# KiCad board Marble.kicad_pcb (continued)
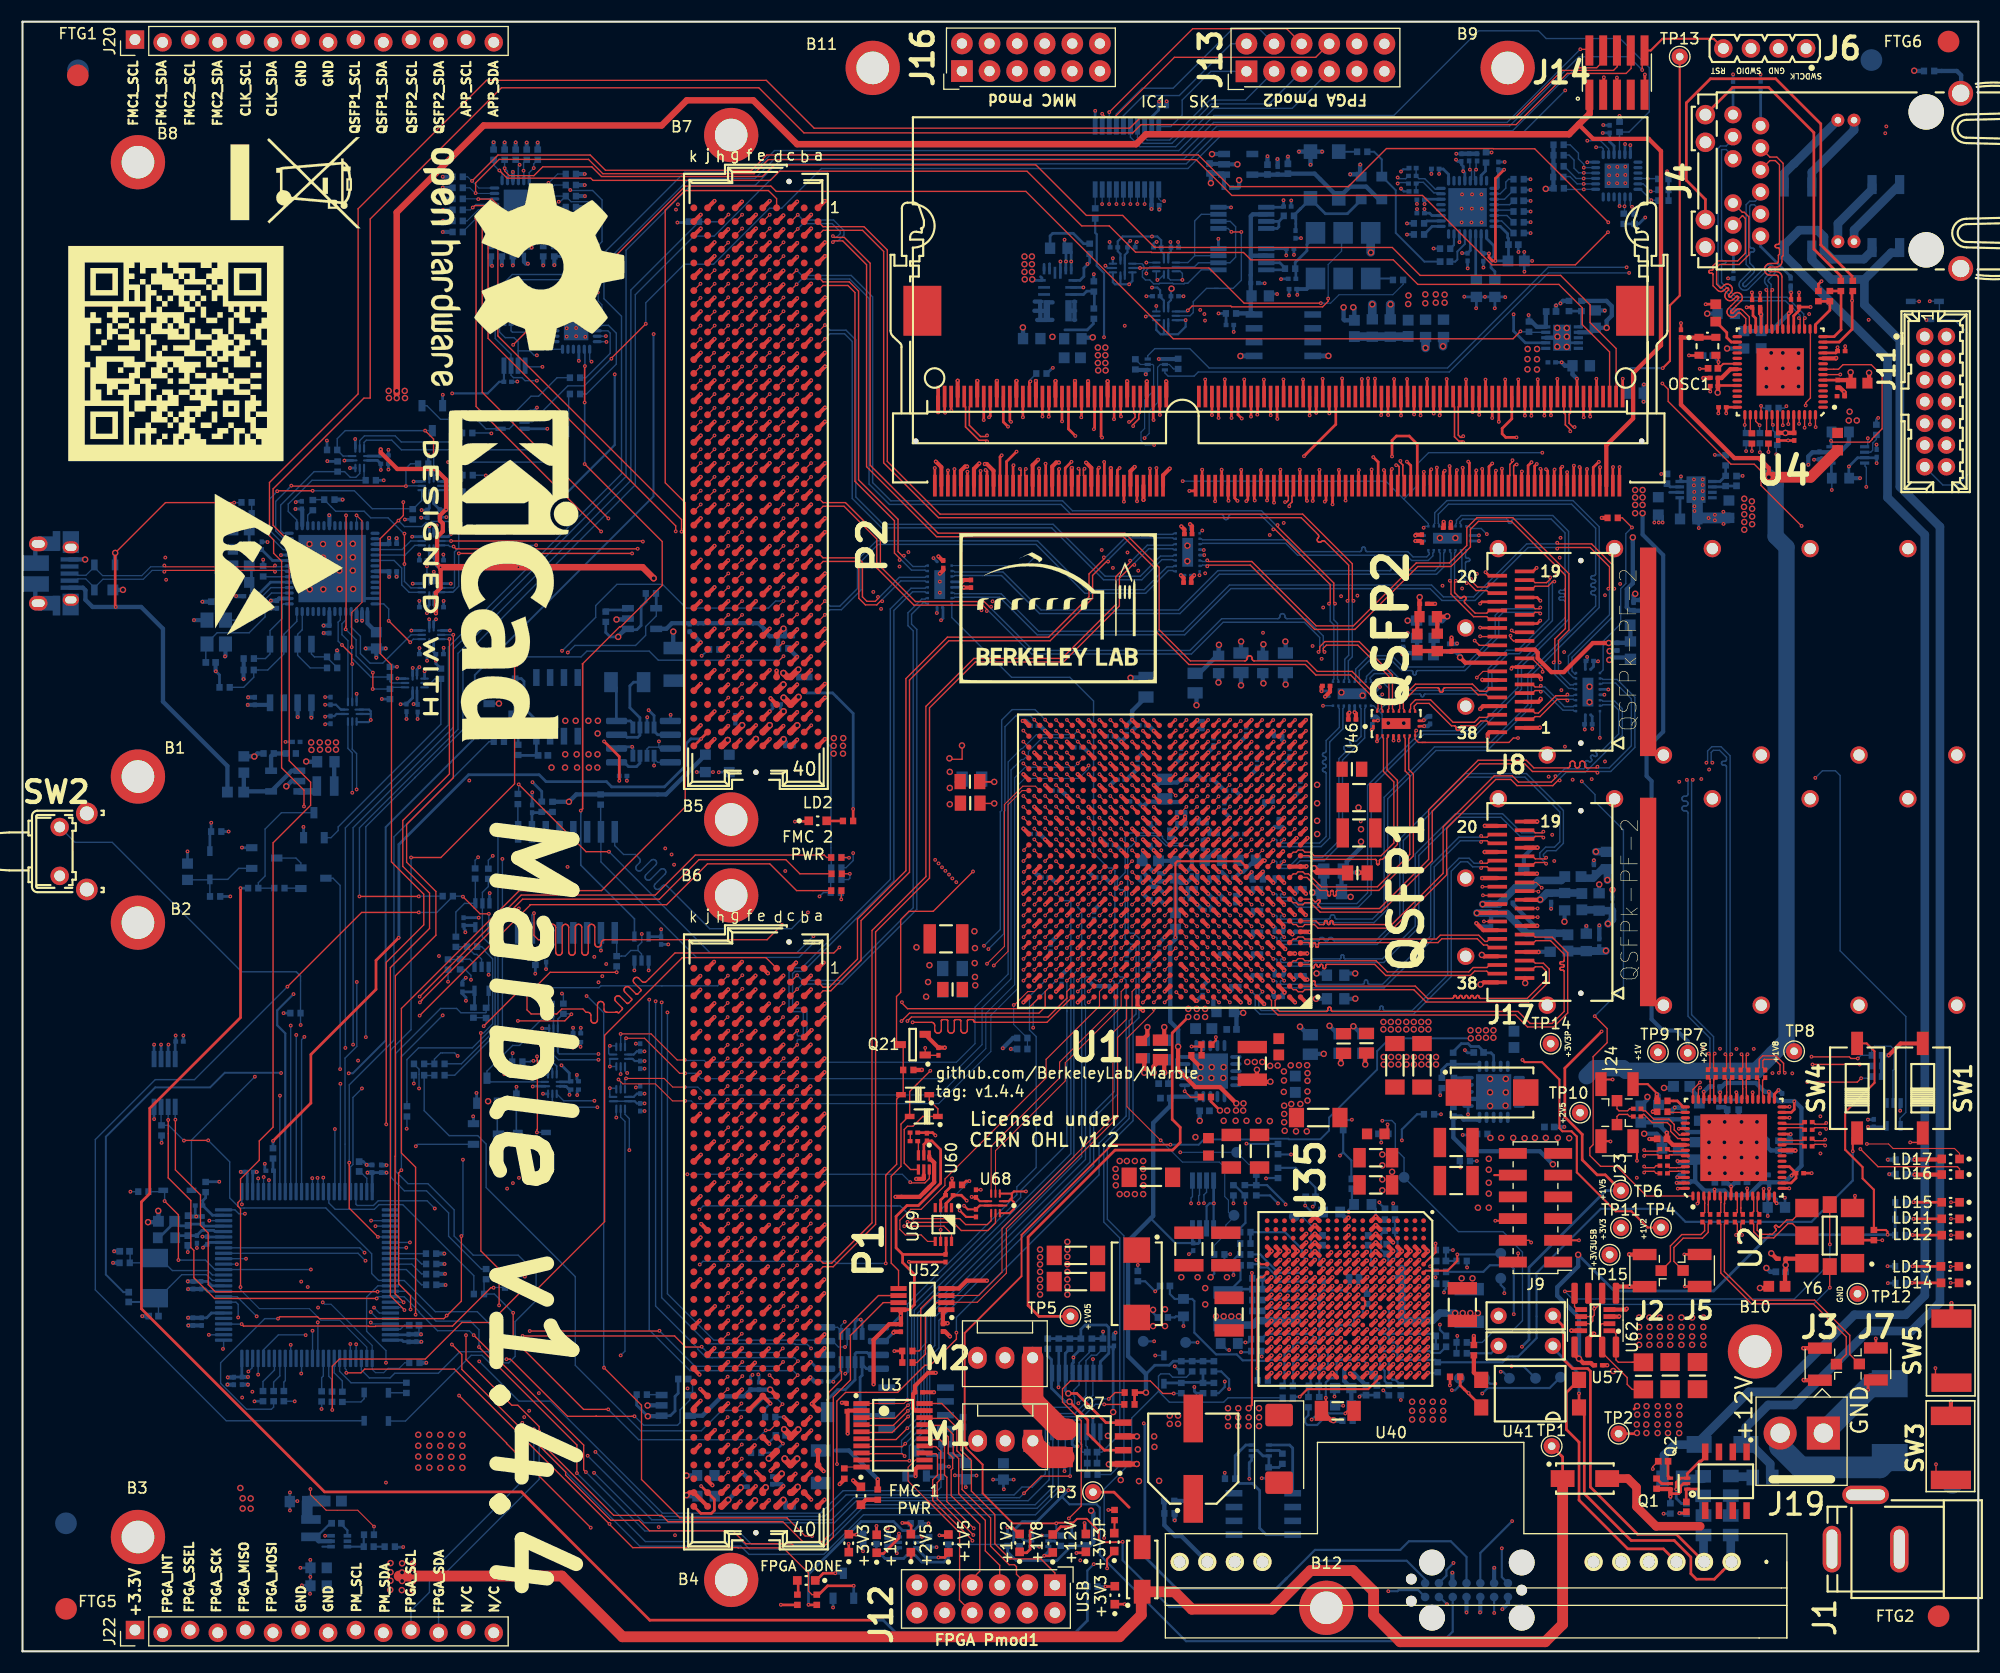
[diagram p0: board, top side]
## Routing (per net, layer and track width the routed paths; a pad name or vN(x,y) marks a point on that pad's centre or on a via; arc(x,y) is an arc through that point) (continued)
/JTAG/JTAG_TDO: length 253
  In2.Cu w0.127: v1(46.81,53.43) 46.3,53.94 46.3,59.76 45.16,60.9 45.16,83.23 45.82,83.89 45.82,95.77 46.02,95.98 46.02,102.1 46.63,102.71 46.63,123.79 v1(47.6,124.76)
  In7.Cu w0.127: J11.8 178.5,116.45 178.5,122.98 176.67,124.81 174.38,124.81 171.65,127.54 171.65,132.98 160.6,144.03 151.03,144.03 149.32,142.33 144.75,142.31 143.91,141.47 128.67,141.47 127.81,142.33 104.83,142.33 104.76,142.26 104.43,142.26 104.36,142.33 82.55,142.33 78.38,138.16 70.25,138.16 67.23,135.14 57.96,135.14 43.15,120.34 v1(43.15,112.11)
  Bottom w0.127: v1(43.15,112.11) 43.11,112.14 R233.2 ; 46.76,53.43 v1(46.81,53.43)
  Bottom w0.15: R216.2 46.45,53.13 47.11,53.79 48.59,53.79 48.77,53.61 U9.4
/JTAG/JTAG_TMS: length 232.9
  In2.Cu w0.127: v1(47.02,54.35) 46.84,54.52 46.84,60.76 46.02,61.59 46.02,82.54 46.58,83.1 46.58,102 47.09,102.5 v1(47.09,110.56)
  In7.Cu w0.127: v1(47.09,110.56) 46.91,110.74 46.91,122.37 58.57,134.03 72.26,134.03 74.85,136.62 79.18,136.62 82.58,140.02 145.19,140.02 145.27,140.1 149.78,140.1 152.6,142.92 159.94,142.92 170.38,132.48 170.38,126.09 173.33,123.14 175.51,123.14 176.04,122.61 176.04,120.06 J11.4
  Bottom w0.127: v1(47.09,110.56) 47.05,110.59 R232.2 ; 46.73,54.27 46.73,54.31 46.77,54.35 v1(47.02,54.35)
  Bottom w0.15: R228.2 46.73,54.27 46.81,54.35 48.68,54.35 49.17,53.86 U9.5
/JTAG/Self_FPGA_TCK: length 65.7
  Top w0.102: U1.Y26 92,79.23 90.7,77.93 90.7,64.43 v1(89.39,63.12)
  In2.Cu w0.127: v1(53.01,54.98) v1(53.01,61.59)
  In4.Cu w0.127: v1(53.01,61.59) 57.04,61.59 58.21,62.75 68.77,62.75 68.83,62.69 88.96,62.69 v1(89.39,63.12)
  Bottom w0.127: v1(53.01,54.98) 49.4,54.98 49.27,55.11 49.27,55.52 U8.8
/JTAG/Self_FPGA_TDI: length 68.5
  Top w0.102: U1.Y25 93.22,79.63 92.06,79.63 90.37,77.94 90.37,64.89 v1(88.77,63.29)
  In2.Cu w0.127: v1(53.36,62.14) 53.36,54.8 v1(53.01,54.45)
  In4.Cu w0.127: v1(88.77,63.29) 88.24,63.81 82.87,63.81 82.07,63.02 54.24,63.02 v1(53.36,62.14)
  Bottom w0.127: v1(53.01,54.45) 49.32,54.45 48.87,54.91 U8.9
/JTAG/Self_FPGA_TDO: length 79.4
  Top w0.11: U1.AF25 93.12,85.73 v1(93.12,85.75)
  In2.Cu w0.127: v1(53.72,63.26) 53.72,50.89 v1(52.91,50.08)
  In4.Cu w0.127: v1(53.72,63.26) 54.06,63.6 56.86,63.6 57.07,63.82 82.19,63.82 82.63,64.26 88.53,64.26 v1(88.9,64.63)
  Bottom w0.127: U9.9 48.77,50.61 49.3,50.08 v1(52.91,50.08) ; v1(88.9,64.63) 90.32,66.06 90.32,77.28 90.42,77.38 90.42,85.11 91.42,86.11 92.76,86.11 v1(93.12,85.75)
/JTAG/Self_FPGA_TMS: length 80.5
  Top w0.11: v1(94.12,85.75) 94.12,85.73 U1.AF24
  In2.Cu w0.127: v1(52.64,50.67) 52.63,50.68 v1(52.63,63.92)
  In4.Cu w0.127: v1(52.63,63.92) 54.05,63.92 54.33,64.2 80.95,64.2 82.01,65.27 87.91,65.27 88.24,64.94 v1(88.49,64.94)
  Bottom w0.127: v1(88.49,64.94) 89.99,66.44 89.99,77.28 90.12,77.4 90.12,85.72 91.08,86.68 93.19,86.68 v1(94.12,85.75) ; U9.8 49.8,50.67 v1(52.64,50.67)
/LPC_RST: length 238.7
  Top w0.127: v1(149.07,145.56) 149.07,147.21 149.32,147.46 ; v1(13.08,41.44) 14.35,40.17 v1(14.35,36.01)
  Top w0.2: J14.10 149.86,147.35 150.93,148.43 155.65,148.43 J6.4
  In2.Cu w0.127: v1(30.43,55.85) 30.43,43.92 26.54,40.03 v1(26.54,35.14)
  Bottom w0.127: v1(149.07,145.56) 147.85,146.78 143.24,146.78 136.87,140.4 109.93,140.4 106.88,137.35 69.85,137.35 67.43,134.94 61.52,134.94 55.55,128.97 55.55,108.14 39.65,92.24 39.65,85.03 30.43,75.81 v1(30.43,55.85) ; v1(13.08,41.44) 13.08,42.36 13.25,42.53 13.14,42.53 12.92,42.31 R138.1 ; v1(26.54,35.14) 26.53,35.14 U54.14 17.71,35.14 16.84,36.01 v1(14.35,36.01)
/MMC/ADC1_IN0: length 3.6
  Bottom w0.254: R86.1 16.86,42.25 16.86,41.74 16.6,41.49 C75.1 16.6,41.02 17.48,40.14 U54.24
/MMC/ADC1_IN7: length 3.1
  Bottom w0.254: 23.18,42.31 23.18,44.15 23,44.33 23.05,44.38 R87.1
/MMC/AT_DET: length 138.2
  Top w0.127: 132.71,24.09 132.86,23.94 132.92,23.94 v1(133.09,23.76)
  Top w0.254: U41.4 134.25,22.54 132.32,24.48 R179.2
  In2.Cu w0.127: v1(33.45,15.53) 42.3,6.68 53.9,6.68 56.91,3.67 75.19,3.67 79.41,7.89 97.66,7.89 104.16,14.39 106.05,14.39 110.57,18.91 117.63,18.91 119.53,20.81 131.46,20.81 133.09,22.44 v1(133.09,23.76)
  In7.Cu w0.127: v1(33.45,26.56) v1(33.45,15.53)
  Bottom w0.127: U54.65 32.7,33.64 31.67,32.61 31.67,29.45 33.45,27.68 v1(33.45,26.56)
/MMC/EN_FMC1_P12V: length 67
  In2.Cu w0.127: v1(42.03,26.69) 42.01,26.71 42.01,27.4 35.66,33.75 v1(35.66,37.63)
  Bottom w0.127: v1(35.66,37.63) 34.39,37.63 34.39,37.64 U54.57 ; v1(42.03,26.69) 45.69,23.03 48.58,23.03 58.89,12.72 73.45,12.72 75.52,14.78 84.2,14.78 84.53,15.11 R188.1
  Bottom w0.254: R188.1 83.27,16.06 Q8.1
/MMC/EN_FMC2_P12V: length 55.4
  Top w0.127: v1(32.71,38.14) 30.07,40.78 v1(30.07,44.97)
  Bottom w0.127: v1(30.07,44.97) 30.07,52.14 34.19,56.25 34.19,74.97 42.95,83.73 R201.1 43.37,84.45 42.94,84.87 Q9.1 ; U54.56 33.85,38.14 v1(32.71,38.14)
/MMC/EN_PSU_CH: length 103.7
  Top w0.127: v1(52.3,11.38) 44.55,19.13 44.55,19.17 v1(40.18,23.54) ; v1(96.3,12.23) 97.44,13.37 97.44,18.69 97.46,18.71 97.46,19.01 97.44,19.03 97.44,21.22 95.71,22.94 95.71,24.16 96.44,24.88 103.8,24.88 104.95,23.73 v1(105.95,23.73)
  In2.Cu w0.127: v1(40.18,23.54) 40.18,28.59 35.32,33.45 v1(35.32,37.15)
  In4.Cu w0.127: 85.39,12.13 81.16,12.13 81.14,12.15 55.52,12.15 54.75,11.38 52.3,11.38 v1(52.3,11.38) ; 85.39,12.13 85.15,12.13 ; 85.39,12.13 85.44,12.18 96.25,12.18 v1(96.3,12.23)
  Bottom w0.127: v1(35.32,37.15) 35.3,37.14 U54.58 ; v1(105.95,23.73) 106.62,23.73 R245.2
/MMC/FPGA_DONE: length 192.1
  Top w0.102: U1.J7 v1(112.12,67.73)
  Top w0.127: v1(29.8,25.63) 31.15,25.63 31.49,25.97 39.75,25.97 54.01,11.71 54.01,11.69 56.16,9.54 65.83,9.54 65.86,9.52 70.03,9.52 72.34,7.2 72.34,5.54 72.66,5.21 R162.2
  Top w0.254: R162.2 73.28,5.21 74.1,6.03 v1(76.5,6.03)
  In2.Cu w0.102: v1(105.12,63.74) 105.12,63.74 105.78,64.4 105.78,66.69 106.48,67.4 111.54,67.4 111.87,67.73 v1(112.12,67.73)
  In2.Cu w0.127: v1(54.02,11.73) 54.02,18.84 49.99,22.87 49.99,72.03 v1(50.16,72.2)
  In9.Cu w0.102: v1(50.16,72.2) 50.8,72.84 67.03,72.84 ; 80.87,67.43 80.88,67.41 90.29,67.41 90.33,67.38 102.96,67.38 103.77,66.57 103.77,65.57 104.25,65.08 104.29,65.08 104.77,64.61 104.77,64.09 v1(105.12,63.74)
  In9.Cu w0.127: 67.03,72.84 67.38,72.84 71.35,68.87 77.93,68.87 79.37,67.43 80.87,67.43
  Bottom w0.127: v1(29.8,25.63) 29.8,25.91 29.69,26.03 29.69,26.96 U54.81
  Bottom w0.254: v1(76.5,6.03) Q19.1
/MMC/FPGA_INT: length 115
  Top w0.127: v1(81.95,39.83) 86.25,39.83 86.8,39.28 88.8,39.28 89.15,39.63 U68.8
  In4.Cu w0.127: v1(62.3,40.66) 61.44,40.66 60.96,41.14 v1(20.19,41.14)
  In9.Cu w0.127: 12.89,1.83 12.89,4.97 14.05,6.13 14.05,10.13 14.85,10.93 14.85,34.53 19.28,38.96 19.28,40.23 v1(20.19,41.14)
  Bottom w0.127: v1(81.95,39.83) 80.78,41 79.88,41 ; v1(62.3,40.66) 62.64,41 79.88,41 ; 20.18,42.31 20.18,41.14 v1(20.19,41.14) ; 79.88,41 80.55,41
/MMC/FPGA_MISO: length 85
  In4.Cu w0.127: v1(55.85,46.13) 55.85,46.13 36.05,46.13 36.03,46.14 25.45,46.14 v1(22.68,43.37)
  In9.Cu w0.127: 20.51,1.83 20.51,8.67 16.65,12.53 16.65,34.33 22.68,40.36 v1(22.68,43.37)
  Bottom w0.127: v1(55.85,46.13) 55.85,49.03 55.45,49.43 U51.8 ; v1(22.68,43.37) 22.68,43.37 22.68,42.31
/MMC/FPGA_MOSI: length 90.8
  In4.Cu w0.127: v1(24.69,28.21) 25.66,27.23 v1(55.05,27.23)
  In9.Cu w0.127: v1(24.69,28.21) 24.47,28.43 18.05,28.43 17.65,28.03 17.65,13.63 23.05,8.23 23.05,1.83
  Bottom w0.127: v1(24.69,28.21) 24.69,26.96 U54.91 ; v1(55.05,27.23) 55.45,27.63 55.45,48.77 55.05,49.17 U51.9
/MMC/FPGA_RESETn: length 28.5
  Top w0.127: v1(20.16,30.11) 20.34,29.94 31.85,29.94 31.89,29.9 32.47,29.9 32.51,29.94 39.58,29.94 43.11,33.47 v1(43.35,33.47)
  Bottom w0.102: v1(43.35,33.47) 43.38,33.49 R142.1
  Bottom w0.127: U54.4 18.53,30.11 v1(20.16,30.11) ; R159.2 R142.1
/MMC/FPGA_SCK: length 86.7
  In4.Cu w0.127: v1(55.05,53.13) 54.84,53.13 54.42,52.7 54.42,52.16 54.42,52.16 54.42,51.1 54.05,50.73 54.05,47.63 53.27,46.85 25.37,46.85 22.2,43.68 v1(22.2,43.65)
  In9.Cu w0.127: 17.97,1.83 17.97,9.21 16.15,11.03 16.15,34.43 22.2,40.48 v1(22.2,43.65)
  Bottom w0.127: 22.18,42.31 22.18,43.64 v1(22.2,43.65) ; U65.9 v1(55.05,53.13)
/MMC/FPGA_SSEL: length 87.3
  In4.Cu w0.127: v1(21.69,43.53) 21.69,43.77 25.15,47.23 52.95,47.23 53.65,47.94 53.65,52.63 54.51,53.49 55.39,53.49 v1(55.65,53.23)
  In9.Cu w0.127: 15.43,1.83 15.43,29.13 15.69,29.39 15.69,34.67 21.69,40.67 21.69,43.52 v1(21.69,43.53)
  Bottom w0.127: 21.68,42.31 21.68,43.52 v1(21.69,43.53) ; v1(55.65,53.23) 55.45,53.43 U65.8
/MMC/HW_ID0: length 3.3
  Bottom w0.127: R144.1 33.89,36.6 U54.59
/MMC/HW_ID1: length 3.5
  Bottom w0.127: U54.60 36.24,36.14 36.73,35.65 R146.1
/MMC/HW_ID2: length 3.7
  Bottom w0.127: U54.61 35.83,35.64 36.73,34.74 37.14,34.74
/MMC/HW_ID3: length 3.9
  Bottom w0.127: U54.62 35.33,35.14 36.73,33.73 R158.1
/MMC/I2C_PM_SCL: length 232.2
  Top w0.127: v1(99.97,23.23) 100.56,23.82 R14.2 ; v1(51.85,16.5) 51.65,16.7 51.65,18.97 v1(41.53,29.1) ; J9.4 138.65,37.83 v1(138.85,37.63) ; v1(32.6,32.48) 17.68,32.48 15.77,34.38 15.77,36.9 15.49,37.18 15.49,41.49 13.41,43.58 v1(13.41,48.91)
  Top w0.4: U35.F14 v1(125.35,29.63)
  In2.Cu w0.127: 126.51,28.98 126.22,29.27 125.71,29.27 v1(125.35,29.63) ; 126.51,28.98 126.51,24.49 124.96,22.94 111.56,22.94 ; 126.51,28.98 126.8,29.27 129.71,29.27 129.75,29.23 131.65,29.23 132.35,29.93 134.15,29.93 134.65,30.43 134.65,32.23 138.35,35.93 138.35,37.13 v1(138.85,37.63) ; 111.56,22.94 111.64,22.94 ; 111.56,22.94 100.26,22.94 v1(99.97,23.23)
  In4.Cu w0.127: v1(108.25,41.23) 108.25,39.33 99.97,31.05 v1(99.97,23.23)
  In7.Cu w0.127: 30.67,1.83 30.67,6.45 34.45,10.23 34.45,22.02 v1(41.53,29.1)
  Bottom w0.127: v1(13.41,48.91) 13.4,48.92 U28.2 ; v1(108.25,41.23) 108.25,41.93 108.32,42.01 U29.2 ; 40.92,29.51 41.12,29.51 v1(41.53,29.1) ; 40.92,29.51 38.2,29.51 36.51,31.2 36.51,31.26 35.13,32.64 U54.67 32.74,32.64 32.6,32.49 v1(32.6,32.48) ; 40.92,29.51 41.07,29.51 ; v1(51.85,16.5) 57.28,11.07 65.87,11.07 67.09,9.85 73.52,9.85 77.16,13.49 93.2,13.49 94.83,15.12 94.83,21.23 95.2,21.6 97.07,21.6 98.7,23.23 v1(99.97,23.23)
  Bottom w0.254: 108.33,43.34 U29.2
/MMC/I2C_PM_SDA: length 230.2
  Top w0.127: J9.2 137.65,36.32 v1(137.65,36.63) ; v1(14.07,48.94) 14.07,44.31 16.38,42 16.38,39.21 17.09,38.5 17.09,33.75 17.74,33.1 v1(32.67,33.1) ; v1(51.03,16.4) 51.03,18.99 v1(42.01,28.01) ; R13.2 99.56,22.72 v1(99.55,22.73)
  Top w0.4: U35.F15 v1(125.35,28.83)
  In2.Cu w0.127: v1(137.65,36.63) 137.65,35.93 134.42,32.7 134.42,30.8 134.05,30.43 132.35,30.43 131.65,29.73 129.85,29.73 129.55,30.03 125.15,30.03 124.99,29.87 124.99,29.19 v1(125.35,28.83) 125.75,28.43 125.75,25.23 124.31,23.79 116.91,23.79 116.45,23.33 100.95,23.33 100.55,23.73 99.97,23.73 99.55,23.31 v1(99.55,22.73)
  In4.Cu w0.127: v1(107.55,41.23) 107.55,39.43 99.09,30.97 99.09,23.19 v1(99.55,22.73)
  In7.Cu w0.127: 33.21,1.83 32.15,2.89 32.15,7.33 35.15,10.33 35.15,21.15 v1(42.01,28.01)
  Bottom w0.127: v1(32.67,33.1) 32.71,33.14 U54.66 35.3,33.14 38.05,30.39 41.22,30.39 42.01,29.61 v1(42.01,28.01) ; v1(107.55,41.23) 107.55,41.73 107.67,41.86 107.67,43.33 ; U28.1 14.05,48.95 v1(14.07,48.94) ; v1(51.03,16.4) 57.32,10.1 66.22,10.1 66.9,9.41 73.54,9.41 77.29,13.16 93.37,13.16 95.34,15.13 95.34,21.11 95.5,21.28 97.29,21.28 98.74,22.73 v1(99.55,22.73)
/MMC/ISP_RSTn: length 39.7
  In4.Cu w0.127: v1(21.38,52.89) 22.08,53.58 v1(29.23,53.58)
  Bottom w0.127: v1(29.23,53.58) 29.23,70.5 28.57,71.16 Q14.3 ; v1(21.38,52.89) 15.55,47.05 15.55,42.28
/MMC/LED1: length 194.4
  Top w0.102: LD15.1 v1(177.49,41.33)
  In9.Cu w0.127: v1(21.69,25.47) 31.75,15.41 31.75,5.93 32.84,4.83 47.35,4.83 48.84,3.34 67.54,3.34 69.58,5.39 77.33,5.39 80.81,8.86 80.81,9.07 82.63,10.88 83,10.88 83.91,11.8 93.98,11.8 94.65,11.13 143.45,11.13 149.95,17.63 151.15,17.63 155.5,21.98 155.5,30.78 159.38,34.66 166.44,34.66 172.41,40.63 176.79,40.63 v1(177.49,41.33)
  Bottom w0.127: v1(21.69,25.47) 21.69,26.64 21.68,26.64 U54.97
/MMC/LED2: length 195.4
  Top w0.102: v1(177.49,39.82) 177.51,39.8 LD11.1
  In9.Cu w0.127: v1(177.49,39.82) 175.1,39.82 174.47,39.18 171.98,39.18 166.98,34.18 159.75,34.18 155.95,30.38 155.95,21.58 145.08,10.71 135.02,10.71 134.99,10.68 105.12,10.68 96.29,1.84 49.24,1.84 46.75,4.33 32.45,4.33 30.07,6.71 30.07,15.72 21.09,24.7 21.09,25.08 21.11,25.1 21.11,25.43 v1(20.79,25.75)
  Bottom w0.127: v1(20.79,25.75) 21.13,26.09 21.13,26.91 U54.98
/MMC/LED3: length 197.9
  Top w0.102: LD12.1 v1(177.49,38.31)
  In9.Cu w0.127: v1(177.49,38.31) 177.24,38.31 176.57,37.63 171.96,37.63 167.29,32.97 160.1,32.97 156.4,29.27 156.4,21.13 145.5,10.23 106.6,10.23 97.66,1.29 48.19,1.29 45.75,3.73 32.05,3.73 29.35,6.43 29.35,13.16 18.45,24.06 v1(18.45,27.83)
  Bottom w0.127: v1(18.45,27.83) 18.51,27.89 U54.1
/MMC/MMC_CONS_CTS: length 63.1
  In2.Cu w0.127: v1(30.35,79.03) 30.35,70.33 28.35,68.33 28.35,43.76 25.65,41.06 v1(25.65,34.03)
  In4.Cu w0.127: v1(32.35,31.63) 29.95,34.03 v1(25.65,34.03)
  Bottom w0.127: U54.70 32.84,31.14 v1(32.35,31.63) ; U66.5 29.95,83.11 30.35,82.71 v1(30.35,79.03)
/MMC/MMC_CONS_PROG_RxD: length 68.7
  Top w0.127: v1(35.15,31.41) 35.15,31.44 33.86,32.73 33.86,62.93 37.46,66.54 37.46,69.79 35,72.25 35,76.47 39.29,80.76 v1(39.29,93.18)
  Bottom w0.127: v1(39.29,93.18) 39.27,93.16 U25.5 ; v1(35.15,31.41) 34.92,31.64 U54.69
/MMC/MMC_CONS_PROG_TxD: length 68.5
  Top w0.127: v1(35.07,32.12) 34.29,32.91 34.29,45.56 34.31,45.58 34.31,62.17 38.05,65.9 38.05,69.94 35.35,72.63 35.35,76.11 39.65,80.41 v1(39.65,93.56)
  Bottom w0.127: U25.4 v1(39.65,93.56) ; U54.68 35.06,32.14 v1(35.07,32.12)
/MMC/MMC_CONS_RTS: length 63.3
  In2.Cu w0.127: v1(26.25,33.53) 26.25,34.03 26.15,34.13 26.15,40.93 29.65,44.43 29.65,54.03 29.25,54.43 29.25,68.73 30.75,70.23 v1(30.75,79.33)
  In4.Cu w0.127: v1(26.25,33.53) 29.75,33.53 v1(32.05,31.23)
  Bottom w0.127: U54.71 32.64,30.64 v1(32.05,31.23) ; U66.4 30.35,83.03 30.75,82.63 v1(30.75,79.33)
/MMC/OVER_TEMP: length 147.5
  Top w0.127: v1(17.09,47.03) 14.88,47.03 v1(14.86,47.01)
  In2.Cu w0.127: v1(43.96,27.83) 43.96,22.19 49.3,16.86 52.17,16.86 v1(52.6,16.42) ; v1(98.52,26.89) 103.91,26.89 v1(104.25,27.23) 104.25,27.63 103.05,28.83 103.05,32.63 105.35,34.93 106.23,34.93 108.73,37.43 v1(108.73,41.25)
  Bottom w0.127: U29.3 108.97,42.26 108.73,42.01 v1(108.73,41.25) ; v1(14.86,47.01) 13.45,48.42 R178.2 ; v1(52.6,16.42) 57.2,11.83 74.72,11.83 76.76,13.86 92.55,13.86 94.48,15.79 94.48,19.09 94.49,19.17 94.39,19.27 94.39,21.23 95.04,21.88 96.84,21.88 98.51,23.56 98.51,25.6 98.52,25.61 v1(98.52,26.89) ; v1(104.25,27.23) D2.1 ; v1(43.96,27.83) 43.96,29.15 41.86,31.26 38,31.26 35.13,34.13 33.87,34.13 U54.64 32.77,34.14 32.13,34.77 32.13,36.59 27.91,40.81 20.39,40.81 20.38,40.8 20,40.8 19.07,41.73 19.07,45.05 v1(17.09,47.03) ; U28.3 12.75,48.46 R178.2 ; R178.2 12.76,48.45
/MMC/PROG_B: length 130.1
  Top w0.102: U1.P6 v1(113.12,73.73)
  Top w0.127: v1(87.48,71.78) 83.82,68.11 81.59,68.11 80.82,67.35 80.82,60.65 80.44,60.27 80.44,56.18 81.06,55.57 R160.2 81.06,51.44 D1.2 80.45,50.83 80.45,44.83 79.45,43.83 v1(79.45,35.7)
  In2.Cu w0.127: v1(113.12,73.73) 112.41,73.02 110.1,73.02 109.18,72.1 101.23,72.1 100.49,71.36 90.88,71.36 90.5,71.74 87.52,71.74 v1(87.48,71.78)
  In4.Cu w0.127: v1(62.33,35.6) 62.03,35.3 31.21,35.3 30.89,35.63 v1(19.72,35.63)
  Bottom w0.127: v1(62.33,35.6) 62.62,35.9 74.76,35.9 74.95,35.7 v1(79.45,35.7) ; U54.15 19.71,35.64 v1(19.72,35.63)
/MMC/PWR_ALERT: length 158.9
  Top w0.2: v1(135.55,39.63) 136.97,39.63 J9.6
  Top w0.4: U35.F13 v1(125.35,30.43)
  In2.Cu w0.127: v1(106.05,26.23) 105.55,25.73 99.85,25.73 98.15,24.03 98.15,22.62 97.46,21.92 97.46,15.54 96.61,14.69 96.61,14.68 96.4,14.47 96.39,14.47 93.75,11.83 86.35,11.83 84.83,10.31 84.07,10.31 83.45,10.93 81.55,10.93 81,10.38 76,10.38 75.56,9.93 57.55,9.93 56.05,8.43 43.25,8.43 34.25,17.43 28.95,17.43 23.45,22.93 23.45,27.13 21.55,29.03 v1(21.55,30.83)
  In9.Cu w0.2: v1(106.05,26.23) 111.55,26.23 113.75,28.43 124.71,28.43 124.95,28.67 124.95,30.03 v1(125.35,30.43) 125.75,30.03 125.75,29.47 125.99,29.23 131.65,29.23 132.05,29.63 134.35,29.63 134.65,29.93 134.65,38.73 v1(135.55,39.63)
  Bottom w0.127: v1(21.55,30.83) 19.74,32.64 U54.9
  Bottom w0.2: R167.1 106.52,25.76 v1(106.05,26.23)
/MMC/PWR_RESET: length 135
  Top w0.4: U35.G18 v1(124.55,26.43)
  In2.Cu w0.127: v1(124.55,26.43) 124.19,26.07 124.19,25.37 123.35,24.53 110.94,24.53 110.54,24.13 108.85,24.13 108.45,23.73 106.95,23.73 105.55,25.13 100.15,25.13 98.45,23.43 98.45,22.13 97.95,21.63 97.95,15.71 97.25,15.01 97.25,14.6 92.46,9.81 85.57,9.81 85.35,10.03 77.66,10.03 77.16,9.53 58.85,9.53 56.95,7.63 42.65,7.63 35.4,14.88 ; v1(19.85,30.73) 19.81,30.69 19.81,29.37 22.85,26.33 22.85,21.93 28.45,16.33 33.95,16.33 35.4,14.88 ; 35.4,14.88 35.45,14.83
  Bottom w0.127: U54.8 19.64,32.14 19.85,31.93 v1(19.85,30.73)
/MMC/SDRAM_PGOOD: length 208.2
  Top w0.127: v1(45.16,120.26) 46.34,121.44 47.9,121.44 51.57,125.11 51.57,125.44 61,134.87 68.88,134.87 69.36,134.38 92.35,134.38 105.91,120.82 137.18,120.82 v1(137.86,121.5)
  In2.Cu w0.127: v1(30.17,28.29) 30.17,33.87 39.24,42.94 39.24,56.15 37.77,57.62 37.77,78.65 44.45,85.33 44.45,101.87 45.16,102.58 v1(45.16,120.26)
  Bottom w0.127: U31.9 138.7,121.41 R29.2 137.9,121.46 v1(137.86,121.5) ; U54.80 30.17,26.97 v1(30.17,28.29)
/MMC/VREF: length 6.9
  Bottom w0.254: U54.22 16.76,39.14 C199.1 15.39,39.32 15.24,39.16 14.34,39.16 14.01,39.5 12.57,38.07 12.53,38.07
/MMC_TCK: length 239.3
  Top w0.127: 145.51,147.46 145.51,146.39 144.88,145.76 143.29,145.76 v1(143.11,145.94)
  In2.Cu w0.127: v1(27.63,32.12) 27.63,39.69 31.21,43.27 31.21,45.24 31.59,45.61 v1(31.59,56.53)
  In9.Cu w0.2: v1(143.11,145.94) 146.96,145.94 148.51,144.39 161.01,144.39 J6.1
  Bottom w0.102: v1(27.63,32.12) 27.81,31.95 28.39,31.95 32.18,28.15 U54.76 32.18,25.94 32.48,25.64 33.25,25.64 33.65,26.05 34.67,26.05 35.18,26.56 R137.1
  Bottom w0.127: v1(31.59,56.53) 31.59,75.9 36.15,80.45 ; v1(143.11,145.94) 137.14,139.97 110.16,139.97 107.11,136.92 70.3,136.92 63.65,130.27 61.8,130.27 56.4,124.87 56.4,107.37 40.54,91.51 40.54,84.84 36.15,80.45 ; 36.15,80.45 36.09,80.39 ; 27.62,32.14 v1(27.63,32.12)
/MMC_TDI: length 248.7
  Top w0.127: v1(20.06,33.52) 20.06,40.74 19.82,40.98 19.82,41.3 20.06,41.54 20.06,43.48 21.79,45.2 21.79,46.98 23.06,48.25 23.06,74.42 26.51,77.87 26.51,80 24.54,81.97 24.54,102.16 23.06,103.65 23.06,107 31.42,115.36 32,115.36 32,131.84 44.08,143.92 67.77,143.92 71.92,139.77 102.18,139.77 102.94,140.53 137.46,140.53 142.17,145.24 147.58,145.24 148.05,145.7 148.05,147.46
  Bottom w0.102: U54.77 31.68,27.99 29.21,30.47 27.47,30.47 26.4,31.54 21.8,31.54 20.06,33.27
  Bottom w0.127: v1(20.06,33.52) 20.06,33.27
/MMC_TDO: length 240.8
  Top w0.127: 146.78,147.46 146.78,145.87 146.43,145.52 141.7,145.52 137.27,141.09 102.79,141.09 101.9,140.2 72.86,140.2 68.46,144.61 42.71,144.61 30.88,132.78 30.88,115.74 22.73,107.58 22.73,102.68 23.11,102.3 23.11,101.07 23.85,100.34 23.85,81.32 25.91,79.26 v1(25.91,77.77)
  In2.Cu w0.127: v1(25.65,25.57) 25.65,31.43 25.15,31.93 25.15,49.96 26.41,51.22 26.41,77.26 v1(25.91,77.77)
  Bottom w0.127: v1(25.65,25.57) 25.68,25.6 U54.89
/MMC_TMS: length 232.9
  Top w0.127: v1(143.37,147.47) 143.38,147.46 144.24,147.46
  In2.Cu w0.127: v1(27.2,31.64) 27.2,39.98 30.88,43.66 v1(30.88,54.37)
  In4.Cu w0.102: v1(32.05,30.27) 30.68,31.64 v1(27.2,31.64)
  In4.Cu w0.127: v1(29.72,55.54) v1(30.88,54.37)
  In9.Cu w0.2: v1(143.37,147.47) 149.37,147.47 151.38,145.46 156.99,145.46 J6.3
  Bottom w0.102: U54.72 32.18,30.14 v1(32.05,30.27)
  Bottom w0.127: v1(143.37,147.47) 136.64,140.73 109.62,140.73 106.65,137.76 69.59,137.76 67.41,135.58 61.39,135.58 53.51,127.7 53.51,124.5 55.13,122.89 55.13,108.37 39.2,92.45 39.2,85.28 29.72,75.8 v1(29.72,55.54) ; 27.2,31.64 v1(27.2,31.64)
/MUX1_MMC: length 297.9
  Top w0.127: v1(74.96,17.23) 74.95,17.24 74.95,23.03 75.75,23.83 80.55,23.83 83.05,26.33 83.55,26.33 85.95,28.73 v1(85.95,29.33) ; v1(169.22,52.75) 168.86,52.39 v1(164.26,52.39) 164.26,52.39
  In2.Cu w0.127: 169.34,52.75 169.34,52.75
  In4.Cu w0.127: v1(26.67,43.55) 27.63,42.59 v1(44.6,42.59) ; v1(164.26,52.39) 164.26,41.01 157.31,34.06 141.82,34.06 139.35,31.6 139.35,26.33 127.35,14.33 101.55,14.33 100.32,15.56 96.32,15.56 95.24,16.64 80.74,16.64 80.16,17.22 49.8,17.22 v1(46,21.02)
  In7.Cu w0.127: v1(44.6,42.59) 44.6,27.34 45.08,26.86 45.08,21.94 v1(46,21.02)
  Bottom w0.127: v1(169.22,52.75) 170.04,52.75 R297.1 ; 26.68,42.31 26.68,43.53 v1(26.67,43.55) ; v1(85.95,29.33) 85.95,30.73 99.08,43.86 99.08,46.78 101.57,49.27 101.57,61.78 101.28,62.07 101.01,62.07 100.54,62.55 100.54,71.81 100.56,71.84 100.3,72.1 99.94,72.1 98.57,73.47 98.57,87.47 96.39,89.65 91.03,89.65 85.53,95.16 85.53,96.44
/MUX2_MMC: length 326.2
  Top w0.127: v1(150.92,116.7) 151.46,116.17 151.46,115.05 157.24,109.27 159.38,109.27 160,108.65 160,107.32 v1(163.74,103.58) ; v1(169.09,54.02) 164.74,54.02 v1(164.74,54.02)
  In4.Cu w0.127: v1(108.33,99.05) 108.5,98.88 109.09,98.88 109.8,99.58 109.8,103.72 109.14,104.38 109.14,111.18 110.75,112.79 110.75,114.96 112.49,116.7 112.87,116.7 148.83,116.72 149.06,116.94 150.2,116.94 150.43,116.72 150.91,116.72 v1(150.92,116.7) ; v1(27.15,43.58) 27.63,43.09 v1(45.13,43.09) ; v1(46.17,21.56) 46.89,21.56 49.55,18.89 60.4,18.89 60.73,18.56 83.32,18.56 84.45,17.43 97.25,17.43 98.35,16.33 109.45,16.33 110.75,15.03 127.35,15.03 138.85,26.53 138.85,31.87 141.63,34.65 157.29,34.65 163.9,41.27 163.9,52.24 163.9,52.24 163.9,53.17 v1(164.74,54.02) ; v1(169.09,54.02) 169.09,54.27 169.75,54.92 169.75,56.35 166.95,59.15 166.95,96.71 163.55,100.12 163.55,103.39 v1(163.74,103.58)
  In7.Cu w0.127: v1(46.17,21.56) 45.5,22.23 45.5,42.73 v1(45.13,43.09)
  Bottom w0.127: v1(108.33,99.05) 108.33,99.05 108.33,99.4 ; v1(169.09,54.02) 170.07,54.02 R298.1 ; 27.18,42.31 27.18,43.54 v1(27.15,43.58)
/MUX3_MMC: length 287.2
  Top w0.127: 128.8,83.66 129.18,83.66 ; 128.8,83.66 128.47,83.66 128.17,83.96 128.17,84.65 v1(128.27,84.75) ; 128.8,83.66 136.8,83.66 137.21,84.06 v1(137.64,84.06) ; v1(168.91,54.57) 168.28,54.57 168.13,54.71 164.67,54.71 v1(164.65,54.73)
  In4.Cu w0.127: v1(45.69,43.58) 45.67,43.6 v1(27.68,43.6) ; 60.71,19.64 49.66,19.64 47.16,22.14 v1(46.63,22.14) ; 60.71,19.64 60.64,19.64 ; 60.71,19.64 83.24,19.64 84.95,17.93 103.35,17.93 104.25,17.03 113.55,17.03 114.35,16.23 127.85,16.23 138.45,26.83 138.45,32.16 141.39,35.09 157.05,35.09 163.53,41.57 163.53,53.61 v1(164.65,54.73) ; v1(168.91,54.57) 168.91,55.8 164.84,59.87 164.84,65.04 145.8,84.08 v1(145.17,84.08) 145.17,84.92 144.59,85.5 142.05,85.5 140.61,84.06 v1(137.64,84.06)
  In7.Cu w0.127: v1(128.27,84.75) 128.27,86.5 130.7,88.93 130.7,93.43 131.58,94.31 131.58,95.03 135.17,98.62 135.17,100.07 134.62,100.63 134.62,101.61 134.77,101.76 v1(134.77,102.84) ; v1(45.69,43.58) 45.69,43.33 45.89,43.13 45.89,29.65 46.63,28.92 v1(46.63,22.14)
  Bottom w0.102: R299.1 170.2,54.88
  Bottom w0.127: U50.9 133.13,103.55 133.33,103.35 134.25,103.35 v1(134.77,102.84) ; U49.9 145.18,84.09 v1(145.17,84.08) ; v1(27.68,43.6) 27.68,43.6 27.68,42.31 ; v1(168.91,54.57) 169.2,54.86 R299.1 170.2,55.45 170.44,55.69 171.95,55.69 172.25,55.39 172.25,53.57 172.15,53.47 172.15,50.45
/Pmod3_0: length 172
  In2.Cu w0.127: v1(26.06,29.1) 27.66,29.1 29.18,30.62 29.18,35.14 37.79,43.75 37.79,54.3 35.42,56.67 35.42,79.13 35.46,79.16 ; 35.46,79.16 42.16,85.87 42.16,108.27 42.29,108.4 42.29,130.39 56.42,144.53 69.06,144.53 73.29,140.31 84.43,140.31 86.46,142.33 J16.1 ; 35.46,79.16 35.4,79.11
  Bottom w0.127: U54.96 22.18,27.76 23.55,29.12 26.03,29.12 v1(26.06,29.1)
/Pmod3_1: length 170.7
  In2.Cu w0.127: v1(31.48,36.69) 31.75,36.69 38.27,43.21 38.27,55.09 36.13,57.23 36.13,78.95 42.9,85.72 42.9,102.81 43.66,103.57 43.66,128.62 43.95,128.91 43.95,131.42 56.3,143.77 68.58,143.77 72.62,139.73 85.78,139.73 89,142.95 J16.3
  Bottom w0.127: v1(31.48,36.69) 31.03,37.14 U54.18
/Pmod3_2: length 172.9
  In2.Cu w0.127: J16.5 91.54,142.84 87.77,139.07 72.27,139.07 68.16,143.18 57.28,143.18 46.76,132.65 46.76,132.58 44.64,130.46 44.64,103.18 43.46,102 43.46,92.12 43.38,92.04 43.38,85.24 38.45,80.31 ; v1(31.56,35.95) 38.74,43.13 38.74,55.5 36.95,57.29 36.95,78.81 38.45,80.31 ; 38.45,80.31 38.4,80.25
  Bottom w0.127: v1(31.56,35.95) 30.88,36.64 U54.17
/Pmod3_3: length 162.1
  In2.Cu w0.127: v1(37.94,40.76) 39.66,42.47 39.66,45.56 39.67,45.57 39.67,58.54 38.78,59.43 38.78,78.33 45.02,84.56 45.02,84.83 45.12,84.94 45.12,101.86 45.89,102.63 45.89,130.78 57.71,142.59 67.77,142.59 71.87,138.49 89.54,138.49 94.08,143.03 J16.7
  Bottom w0.127: 30.68,42.31 30.68,41.16 30.81,41.04 32.31,41.04 32.74,41.47 37.23,41.47 v1(37.94,40.76)
/Pmod3_4: length 157
  In2.Cu w0.127: v1(32.08,39.64) 36.85,44.42 36.85,53.33 34.21,55.97 34.21,79.59 40.92,86.3 40.92,130.5 42.65,132.23 42.65,132.31 46.45,136.11 46.45,136.54 55.71,145.8 69.99,145.8 74.5,141.3 81.17,141.3 84.12,144.24 84.12,147.17 84.94,148 J16.2
  Bottom w0.127: U54.53 32.08,39.64 v1(32.08,39.64)
/Pmod3_5: length 158.1
  In2.Cu w0.127: 41.53,92.01 41.53,130.37 56.34,145.18 69.47,145.18 73.77,140.88 81.67,140.88 84.67,143.88 84.67,146.2 84.86,146.4 85.17,146.75 87.75,146.75 J16.4 ; 41.53,92.01 41.53,86.2 35,79.67 35,56 37.34,53.66 37.34,43.98 v1(32.48,39.13) ; 41.53,92.01 41.53,91.94